# Altium PCB 10X SD CARD READER PCB.PcbDoc (part 1 of 4) (continued)
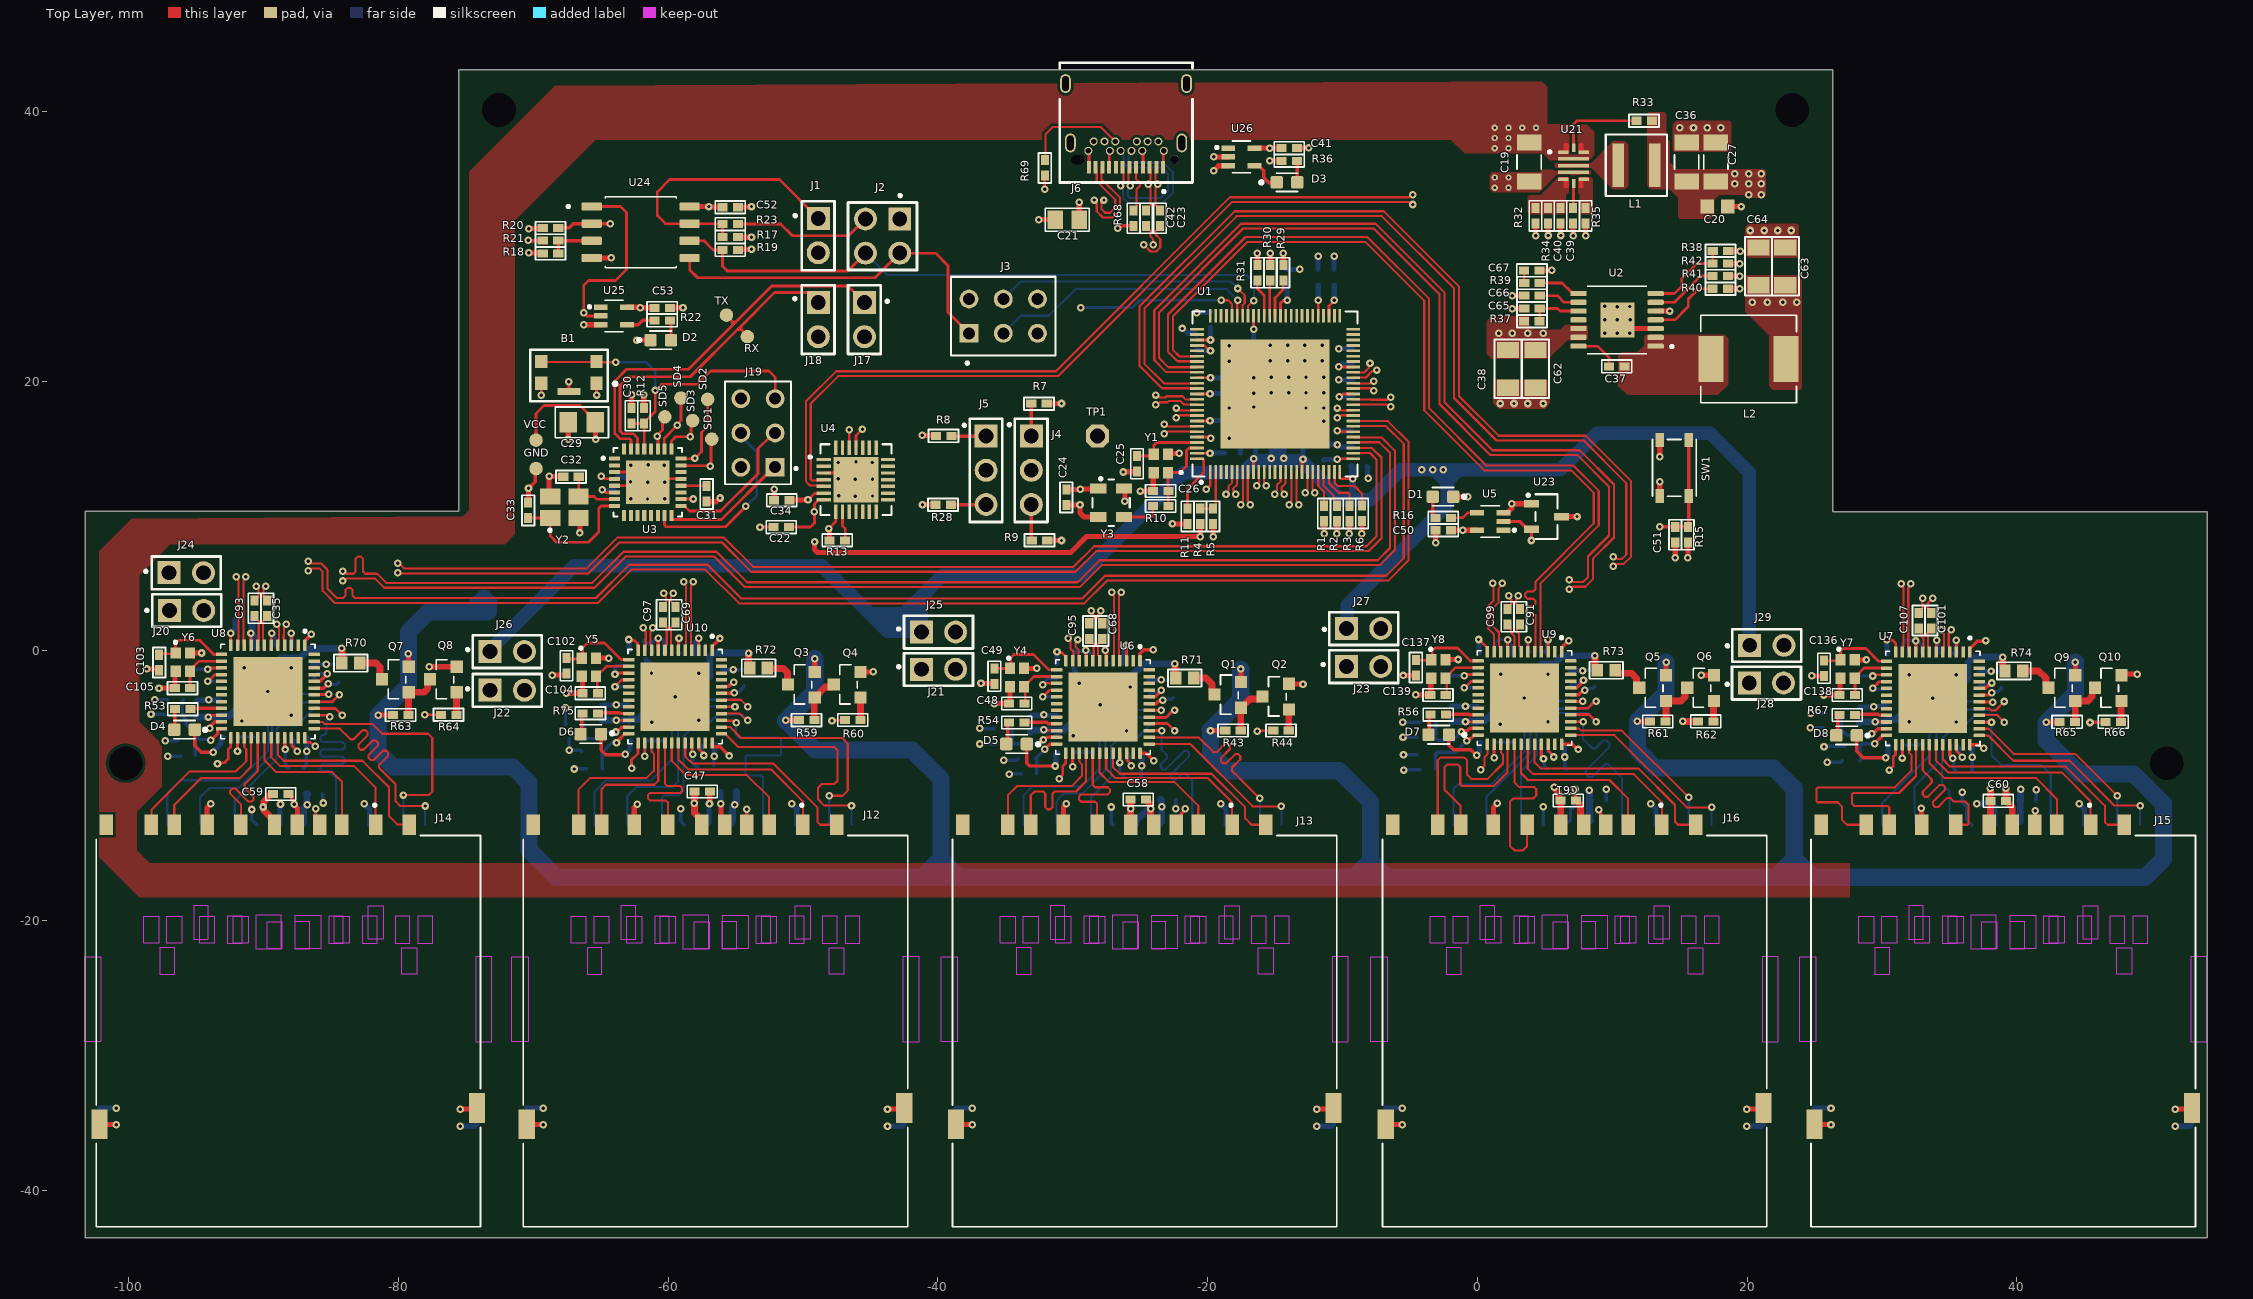
[diagram p0: Top Layer view]
## Components (designator, comment, footprint, x,y, rotation, side; value= is the part's Value field where it differs from the comment) (continued)
C90 "1uF" C-0402/1005 -93.193,-4.267 r270 bottom value=0.1uF
C91 "0.1uF" C-0402/1005 3.154,2.543 r270 top
C92 "0.1uF" C-0402/1005 -94.971,-4.267 r270 bottom
C93 "0.1uF" C-0402/1005 -90.689,3.184 r270 top
C94 "1uF" C-0402/1005 -33.122,-5.41 r270 bottom value=0.1uF
C95 "0.1uF" C-0402/1005 -28.798,1.49 r270 top
C96 "0.1uF" C-0402/1005 -31.09,-5.41 r270 bottom
C97 "0.1uF" C-0402/1005 -60.416,2.706 r270 top
C98 "1uF" C-0402/1005 -62.867,-4.583 r270 bottom value=0.1uF
C99 "0.1uF" C-0402/1005 2.218,2.548 r270 top
C100 "0.1uF" C-0402/1005 -64.872,-4.583 r270 bottom
C101 "0.1uF" C-0402/1005 33.637,2.267 r270 top
C102 "10pF" C-0402/1005 -67.558,-1.092 r270 top value=0.1uF
C103 "10pF" C-0402/1005 -97.765,-0.838 r270 top value=0.1uF
C104 "10pF" C-0402/1005 -65.761,-3.124 r180 top value=0.1uF
C105 "10pF" C-0402/1005 -95.987,-2.743 r180 top value=0.1uF
C106 "0.1uF" C-0402/1005 -55.524,-10.414 r0 bottom
C107 "0.1uF" C-0402/1005 32.708,2.267 r270 top
C108 "1uF" C-0402/1005 4.493,-0.076 r180 bottom value=0.1uF
C109 "1uF" C-0402/1005 -2.362,-1.219 r270 bottom value=0.1uF
C110 "0.1uF" C-0402/1005 6.904,-1.981 r270 bottom
C111 "0.1uF" C-0402/1005 5.867,-6.934 r180 bottom
C112 "1uF" C-0402/1005 34.823,-0.203 r180 bottom value=0.1uF
C113 "1uF" C-0402/1005 27.889,-1.27 r270 bottom value=0.1uF
C114 "0.1uF" C-0402/1005 36.093,-7.061 r180 bottom
C115 "0.1uF" C-0402/1005 37.236,-2.108 r270 bottom
C116 "1uF" C-0402/1005 -84.255,-1.508 r270 bottom value=100pF
C117 "1uF" C-0402/1005 -22.454,-2.743 r270 bottom value=100pF
C118 "1uF" C-0402/1005 2.565,-0.965 r90 bottom value=100pF
C119 "1uF" C-0402/1005 0.787,-6.772 r0 bottom value=100pF
C120 "0.1uF" C-0402/1005 0.711,-0.127 r0 bottom value=100pF
C121 "0.1uF" C-0402/1005 2.588,-6.172 r270 bottom value=100pF
C122 "1uF" C-0402/1005 32.918,-0.838 r90 bottom value=100pF
C123 "1uF" C-0402/1005 31.024,-6.963 r0 bottom value=100pF
C124 "0.1uF" C-0402/1005 30.937,-0.203 r0 bottom value=100pF
C125 "0.1uF" C-0402/1005 32.831,-6.299 r270 bottom value=100pF
C126 "1uF" C-0402/1005 0.001,-4.68 r270 bottom value=0.1uF
C127 "1uF" C-0402/1005 -54.305,-1.956 r270 bottom value=100pF
C128 "0.1uF" C-0402/1005 -1.88,-4.648 r270 bottom
C129 "1uF" C-0402/1005 8.763,-1.956 r270 bottom value=100pF
C130 "1uF" C-0402/1005 30.378,-4.648 r270 bottom value=0.1uF
C131 "1uF" C-0402/1005 -87.605,-8.738 r180 bottom value=100pF
C132 "0.1uF" C-0402/1005 28.346,-4.775 r270 bottom
C133 "1uF" C-0402/1005 -25.502,-9.373 r180 bottom value=100pF
C134 "1uF" C-0402/1005 -57.21,-8.633 r180 bottom value=100pF
C135 "1uF" C-0402/1005 5.918,-8.865 r180 bottom value=100pF
C136 "10pF" C-0402/1005 25.679,-1.278 r270 top value=0.1uF
C137 "10pF" C-0402/1005 -4.581,-1.219 r270 top value=0.1uF
C138 "10pF" C-0402/1005 27.457,-3.251 r180 top value=0.1uF
C139 "10pF" C-0402/1005 -2.896,-3.251 r180 top value=0.1uF
C140 "1uF" C-0402/1005 38.964,-2.057 r270 bottom value=100pF
C141 "1uF" C-0402/1005 36.131,-8.902 r180 bottom value=100pF
C142 "0.1uF" C-0603/1608 -95.707,-6.68 r0 bottom value=47uF
C143 "0.1uF" C-0402/1005 -95.608,-7.78 r0 bottom
C144 "0.1uF" C-0603/1608 -96.672,-4.75 r0 bottom value=47uF
C145 "0.1uF" C-0402/1005 -96.571,-3.607 r0 bottom
C146 "0.1uF" C-0603/1608 -66.904,-5.41 r0 bottom value=47uF
C147 "0.1uF" C-0603/1608 -3.783,-6.424 r0 bottom value=47uF
C148 "0.1uF" C-0603/1608 -33.376,-8.001 r0 bottom value=47uF
C149 "0.1uF" C-0402/1005 -66.801,-6.512 r0 bottom
C150 "0.1uF" C-0402/1005 -3.689,-5.291 r0 bottom
C151 "0.1uF" C-0402/1005 -33.276,-9.086 r0 bottom
C152 "0.1uF" C-0603/1608 -65.582,-7.629 r0 bottom value=47uF
C153 "0.1uF" C-0603/1608 -3.783,-7.701 r0 bottom value=47uF
C154 "0.1uF" C-0603/1608 -35.191,-5.771 r0 bottom value=47uF
C155 "0.1uF" C-0402/1005 -65.485,-8.728 r0 bottom
C156 "0.1uF" C-0402/1005 -3.673,-8.809 r0 bottom
C157 "0.1uF" C-0402/1005 -35.095,-6.877 r0 bottom
C158 "0.1uF" C-0603/1608 27.711,-8.153 r0 bottom value=47uF
C159 "0.1uF" C-0402/1005 27.813,-7.01 r0 bottom
C160 "0.1uF" C-0603/1608 26.289,-5.715 r0 bottom value=47uF
C161 "0.1uF" C-0402/1005 26.391,-4.597 r0 bottom
D1 "RED" LEDC1608X65N -2.547,11.426 r180 top
D2 "BLUE" LEDC1608X65N -60.553,23.038 r0 top
D3 "GREEN" LEDC1608X65N -14.115,34.737 r0 top
D4 "GREEN" LEDC1608X65N -95.86,-5.842 r180 top
D5 "GREEN" LEDC1608X65N -34.163,-6.909 r180 top
D6 "GREEN" LEDC1608X65N -65.735,-6.172 r180 top
D7 "GREEN" LEDC1608X65N -2.87,-6.223 r180 top
D8 "GREEN" LEDC1608X65N 27.381,-6.274 r180 top
GND "Test Points" "Test Point TH Round H0.9,D1.6"#1 -69.799,13.513 r90 top
J1 "TH 1x2" "PIN HEADER 1x2 2.54mm" -48.87,29.515 r0 top locked value=51R
J2 "DNP" "PIN HEADER 2x2 2.54mm" -42.83,29.486 r270 top locked
J3 "TSW-102-07-G-T" CON6_3X2_TU_TSW_SAI -35.154,24.816 r270 top locked
J4 "Header 1x3" "PIN HEADER 1x3 2.54mm" -33.075,13.386 r0 top locked value=51R
J5 "Header 1x3" "PIN HEADER 1x3 2.54mm" -36.424,13.386 r0 top locked value=51R
J6 "USB4056-03-A_REVA2" GCT_USB4056-03-A_REVA2 -26.048,42.06 r180 top
J7 "10067847-001RLF" AMPHENOL_10067847-011RLF -56.09,-28.2 r180 bottom locked
J8 "10067847-001RLF" AMPHENOL_10067847-011RLF -24.267,-28.2 r180 bottom locked
J9 "10067847-001RLF" AMPHENOL_10067847-011RLF -87.767,-28.2 r180 bottom locked
J10 "10067847-001RLF" AMPHENOL_10067847-011RLF 39.395,-28.2 r180 bottom locked
J11 "10067847-001RLF" AMPHENOL_10067847-011RLF 7.61,-28.2 r180 bottom locked
J12 "10067847-001RLF" AMPHENOL_10067847-011RLF -56.89,-28.2 r0 top locked
J13 "10067847-001RLF" AMPHENOL_10067847-011RLF -25.067,-28.2 r0 top locked
J14 "10067847-001RLF" AMPHENOL_10067847-011RLF -88.567,-28.2 r0 top locked
J15 "10067847-001RLF" AMPHENOL_10067847-011RLF 38.595,-28.2 r0 top locked
J16 "10067847-001RLF" AMPHENOL_10067847-011RLF 6.81,-28.2 r0 top locked
J17 "TH 1x2" "PIN HEADER 1x2 2.54mm" -45.441,23.292 r0 top locked value=51R
J18 "TH 1x2" "PIN HEADER 1x2 2.54mm" -48.87,23.292 r0 top locked value=51R
J19 "5-146256-3" TE_5-146256-3 -53.34,16.281 r180 top
J20 "TH 1x2" "PIN HEADER 1x2 2.54mm" -94.437,2.997 r90 top value=51R
J21 "TH 1x2" "PIN HEADER 1x2 2.54mm" -38.684,-1.372 r90 top value=51R
J22 "TH 1x2" "PIN HEADER 1x2 2.54mm" -70.663,-2.921 r90 top value=51R
J23 "TH 1x2" "PIN HEADER 1x2 2.54mm" -7.163,-1.168 r90 top value=51R
J24 "TH 1x2" "PIN HEADER 1x2 2.54mm" -94.463,5.791 r90 top value=51R
J25 "TH 1x2" "PIN HEADER 1x2 2.54mm" -38.684,1.397 r90 top value=51R
J26 "TH 1x2" "PIN HEADER 1x2 2.54mm" -70.663,-0.051 r90 top value=51R
J27 "TH 1x2" "PIN HEADER 1x2 2.54mm" -7.163,1.651 r90 top value=51R
J28 "TH 1x2" "PIN HEADER 1x2 2.54mm" 22.708,-2.388 r90 top value=51R
J29 "TH 1x2" "PIN HEADER 1x2 2.54mm" 22.733,0.406 r90 top value=51R
L1 "XEL4030-471MEB" IND_XEL4030_3.1_COC 11.795,36.007 r0 top
L2 "4.7uH" IND_SPM6550T-4R7M 20.117,21.641 r0 top
Q1 "DMP2120U-7" SOT-23-3 -18.39,-3.251 r90 top
Q2 "MMBT3904" SOT-23-3 -14.834,-3.378 r90 top
Q3 "DMP2120U-7" SOT-23-3 -50.013,-2.489 r90 top
Q4 "MMBT3904" SOT-23-3 -46.627,-2.489 r90 top
Q5 "DMP2120U-7" SOT-23-3 13.106,-2.743 r90 top
Q6 "MMBT3904" SOT-23-3 16.662,-2.743 r90 top
Q7 "DMP2120U-7" SOT-23-3 -80.112,-2.108 r90 top
Q8 "MMBT3904" SOT-23-3 -76.556,-2.108 r90 top
Q9 "DMP2120U-7" SOT-23-3 43.459,-2.743 r90 top
Q10 "MMBT3904" SOT-23-3 46.888,-2.743 r90 top
R1 "10k" R-0402/1005 -11.376,10.204 r270 top value=10K
R2 "200k" R-0402/1005 -10.43,10.204 r270 top value=200K
R3 "200k" R-0402/1005 -9.497,10.204 r270 top value=200K
R4 "43K" R-0402/1005 -20.563,9.985 r270 top value=10K
R5 "49.9K" R-0402/1005 -19.606,9.985 r270 top value=10K
R6 "10k" R-0402/1005 -8.545,10.17 r90 top value=10K
R7 "200K" R-0402/1005 -32.487,18.339 r180 top value=10K
R8 "200K" R-0402/1005 -39.599,15.926 r0 top value=10K
R9 "10R" R-0402/1005 -32.487,8.179 r0 top value=10K
R10 "0R" R-0402/1005 -23.504,10.719 r0 top value=200K
R11 "12k" R-0402/1005 -21.475,9.95 r90 top value=10K
R12 "12k" R-0402/1005 -61.805,17.443 r270 top value=100K
R13 "1K" R-0402/1005 -47.473,8.179 r0 top value=100K
R14 "680" R-0402/1005 -30.582,-3.413 r180 bottom value=10K
R15 "100K" R-0402/1005 15.621,8.594 r90 top value=10K
R16 "1K" R-0402/1005 -2.541,9.844 r0 top value=10K
R17 "10k" R-0402/1005 -55.42,30.658 r0 top value=10K
R18 "10k" R-0402/1005 -68.708,29.487 r180 top value=10K
R19 "100K" R-0402/1005 -55.42,29.708 r0 top value=10K
R20 "100K" R-0402/1005 -68.708,31.375 r180 top value=10K
R21 "DNP" R-0402/1005 -68.708,30.431 r180 top value=200K
R22 "1K" R-0402/1005 -60.433,24.518 r180 top value=10K
R23 "DNP" R-0402/1005 -55.42,31.628 r0 top value=200K
R24 "680" R-0402/1005 -92.431,-2.27 r180 bottom value=10K
R25 "680" R-0402/1005 -62.205,-2.651 r180 bottom value=10K
R26 "680" R-0402/1005 0.595,-2.753 r180 bottom value=10K
R27 "680" R-0402/1005 31.14,-2.87 r180 bottom value=10K
R28 "10R" R-0402/1005 -39.599,10.846 r180 top value=10K
R29 "10k" R-0402/1005 -14.374,28.008 r90 top value=10K
R30 "10k" R-0402/1005 -15.342,28.008 r90 top value=10K
R31 "10k" R-0402/1005 -16.299,28.008 r90 top value=10K
R32 "68K" R-0402/1005 4.301,32.268 r270 top value=10K
R33 "100K" R-0402/1005 12.344,39.294 r0 top value=10K
R34 "68K" R-0402/1005 5.256,32.233 r90 top value=10K
R35 "8.06K" R-0402/1005 8.012,32.268 r270 top value=10K
R36 "330R" R-0402/1005 -13.931,36.348 r180 top value=10K
R37 "110k" R-0402/1005 4.067,24.449 r180 top value=51R
R38 "115k" R-0402/1005 18.009,29.645 r0 top value=51R
R39 "10k" R-0402/1005 4.031,27.253 r0 top value=51R
R40 "50k" R-0402/1005 18.044,27.803 r180 top value=51R
R41 "50k" R-0402/1005 18.044,26.862 r180 top value=51R
R42 "25.5k" R-0402/1005 18.044,28.733 r180 top value=51R
R43 "47k" R-0402/1005 -18.136,-5.918 r0 top value=10K
R44 "10k" R-0402/1005 -14.58,-5.918 r0 top value=10K
R53 "330R" R-0402/1005 -96.012,-4.343 r0 top value=10K
R54 "330R" R-0402/1005 -34.163,-5.334 r0 top value=10K
R56 "330R" R-0402/1005 -2.921,-4.75 r0 top value=10K
R59 "47k" R-0402/1005 -49.759,-5.156 r0 top value=10K
R60 "10k" R-0402/1005 -46.33,-5.142 r0 top value=10K
R61 "47k" R-0402/1005 13.36,-5.257 r0 top value=10K
R62 "10k" R-0402/1005 16.916,-5.243 r0 top value=10K
R63 "47k" R-0402/1005 -79.858,-4.775 r0 top value=10K
R64 "10k" R-0402/1005 -76.302,-4.761 r0 top value=10K
R65 "47k" R-0402/1005 43.713,-5.283 r0 top value=10K
R66 "10k" R-0402/1005 47.142,-5.283 r0 top value=10K
R67 "330R" R-0402/1005 27.407,-4.775 r0 top value=10K
R68 "5.1k" R-0402/1005 -25.482,32.062 r90 top value=200K
R69 "5.1k" R-0402/1005 -32.055,35.789 r90 top value=200K
R70 "0R" R-0603/1608 -83.543,-0.864 r180 top value=200K
R71 "0R" R-0603/1608 -21.698,-1.985 r180 top value=200K
R72 "0R" R-0603/1608 -53.297,-1.229 r180 top value=200K
R73 "0R" R-0603/1608 9.55,-1.397 r180 top value=200K
R74 "0R" R-0603/1608 39.778,-1.446 r180 top value=200K
R75 "330R" R-0402/1005 -65.786,-4.648 r0 top value=10K
RX "Test Points" "Test Point TH Round H0.9,D1.6"#1 -54.127,23.292 r0 top
SD1 "Test Points" "Test Point TH Round H0.9,D1.6"#1 -56.769,15.697 r0 top
SD2 "Test Points" "Test Point TH Round H0.9,D1.6"#1 -57.074,18.644 r90 top
SD3 "Test Points" "Test Point TH Round H0.9,D1.6"#1 -58.191,17.069 r90 top
SD4 "Test Points" "Test Point TH Round H0.9,D1.6"#1 -59.055,18.745 r90 top
SD5 "Test Points" "Test Point TH Round H0.9,D1.6"#1 -60.249,17.348 r90 top
SW1 "PTS810_SJM_250_SMTR_LFS" SW_PTS810_SJM_250_SMTR_LFS 14.605,13.564 r270 top
TP1 "Test Points" "Test Point TH Round H0.9,D1.6"#2 -28.169,15.926 r90 top
TX "Test Points" "Test Point TH Round H0.9,D1.6"#1 -55.677,24.892 r0 top
U1 "USB7206" USB7206 -15.001,19.047 r90 top locked
U2 "RT2875BQGCP" TSSOP-14 10.361,24.543 r90 top
U3 "ATMEGA 328-MU" "ATMEGA 328P" -61.519,12.497 r0 top
U4 "CP2102N-A02-GQFN28R" CP2102 -46.076,12.687 r0 top locked
U5 "74LVC1G14GW,125" SOT65P212X110-5N 0.955,9.591 r180 top
U6 "GL3224" GL3224 -27.765,-4.163 r270 top locked
U7 "GL3224" GL3224 33.774,-3.528 r270 top locked
U8 "GL3224" GL3224 -89.684,-3.02 r270 top locked
U9 "GL3224" GL3224 3.491,-3.503 r270 top locked
U10 "GL3224" GL3224 -59.486,-3.401 r270 top locked
U21 "TPS6281208QWRWYRQ1" RWY0009A 7.136,35.976 r0 top
U23 "MIC803-29D4VM3-TR" SOT-23_M3_MCH 5.131,9.957 r270 top
U24 "SST26VF016B-104I/SM" SOIC127P794X203-8N -62.037,31.039 r0 top locked
U25 "74LVC1G14GW,125" SOT65P212X110-5N -64.024,24.831 r0 top
U26 "74LVC1G14GW,125" SOT65P212X110-5N -17.501,36.627 r0 top
VCC "Test Points" "Test Point TH Round H0.9,D1.6"#1 -69.799,15.621 r90 top
Y1 "DNP" ECS-250-10-37B2 -23.47,13.894 r180 top
Y2 "FL1600044" FL1600044 -67.691,10.643 r90 top
Y3 "DSC1001CI2-025.0000" CDFN4_3P2X2P5_MCH -27.153,10.973 r0 top
Y4 "ECS-250-10-37B2-CKM-TR" ECS-250-10-37B2 -34.138,-1.981 r0 top
Y5 "ECS-250-10-37B2-CKM-TR" ECS-250-10-37B2 -65.888,-1.219 r0 top
Y6 "ECS-250-10-37B2-CKM-TR" ECS-250-10-37B2 -95.987,-0.838 r0 top
Y7 "ECS-250-10-37B2-CKM-TR" ECS-250-10-37B2 27.457,-1.346 r0 top
Y8 "ECS-250-10-37B2-CKM-TR" ECS-250-10-37B2 -2.896,-1.346 r0 top

## Footprints (in the part's own frame and the unit in brackets; to place one, negate y for a bottom-side part, rotate by r counter-clockwise, add the part's x,y. Pads: shape width x height; smd on the part's side, far side on the other; paste and mask are expansions set on the pad)
0805-CAP [mm]
  rect 1.3x1.5 smd: 1(1,0) 2(-1,0)
  silkscreen extent -1.97,-1.14 1.97,1.14, body extent -1,-0.62 1,0.63, height 0.78
AMPHENOL_10067847-011RLF [mm]
  rect 1x1.5 smd: 1(6.875,15.3) 2(4.375,15.3) 3(1.075,15.3) 4(-0.625,15.3) 5(-3.125,15.3) 6(-5.625,15.3) 7(-8.05,15.3) 8(-9.75,15.3) 9(9.375,15.3) CD(2.725,15.3) WP(-13.1,15.3)
  rect 1.2x2.2 smd: G1(-13.6,-6.9) G2(14.4,-5.7)
  Keep-Out Layer region: -13.5,-0.8 -14.7,-0.8 -14.7,5.5 -13.5,5.5
  Keep-Out Layer region: 4.92,6.5 3.82,6.5 3.82,8.5 4.92,8.5
  Keep-Out Layer region: 7.42,6.8 6.32,6.8 6.32,9.3 7.42,9.3
  Keep-Out Layer region: 9.92,4.2 8.82,4.2 8.82,6.2 9.92,6.2
  Keep-Out Layer region: 2.82,6.1 0.92,6.1 0.92,8.6 2.82,8.6
  Keep-Out Layer region: -2.58,6.5 -3.68,6.5 -3.68,8.5 -2.58,8.5
  Keep-Out Layer region: -0.08,6.1 -1.18,6.1 -1.18,8.1 -0.08,8.1
  Keep-Out Layer region: -5.08,6.5 -6.18,6.5 -6.18,8.5 -5.08,8.5
  Keep-Out Layer region: -7.51,6.5 -8.61,6.5 -8.61,8.5 -7.51,8.5
  Keep-Out Layer region: -9.21,6.5 -10.31,6.5 -10.31,8.5 -9.21,8.5
  silkscreen extent -13.85,-14.5 14.65,16.85, body extent -13.84,-14.61 14.61,15.65, height 2.8
"ATMEGA 328P" [mil]
  rect 32x12 smd: 1(-97,69) 2(-97,49) 3(-97,30) 4(-97,10) 5(-97,-10) 6(-97,-30) 7(-97,-49) 8(-97,-69) 17(97,-69) 18(97,-49) 19(97,-30) 20(97,-10) 21(97,10) 22(97,30) 23(97,49) 24(97,69)
  rect 12x32 smd: 9(-69,-97) 10(-49,-97) 11(-30,-97) 12(-10,-97) 13(10,-97) 14(30,-97) 15(49,-97) 16(69,-97) 25(69,97) 26(49,97) 27(30,97) 28(10,97) 29(-10,97) 30(-30,97) 31(-49,97) 32(-69,97)
  rect 128x128 smd: 33(0,0)
  silkscreen extent -134,-100 100,100, body extent -98,-98 98,98, height 39
C-0402/1005 [mm] "Chip Capacitor, 2-Leads, Body 1.02x0.51mm, IPC Medium Density"
  rect 0.75x0.6 smd: 1(-0.55,0.022) 2(0.6,0.022)
  silkscreen extent -1.09,-0.44 1.14,0.49, body extent -0.48,-0.24 0.52,0.28, height 0.52
C-0603/1608 [mm] "Chip Capacitor, 2-Leads, Body 1.60x0.80mm, IPC Medium Density"
  rect 0.85x0.95 smd: 1(-0.667,0.005) 2(0.643,0.005)
  silkscreen extent -1.26,-0.63 1.23,0.64, body extent -0.8,-0.4 0.8,0.42, height 0.82
C-0805/2012 [mm] "Chip Capacitor, 2-Leads, Body 2.00x1.20mm, IPC Medium Density"
  rect 1.15x1.35 smd: 1(-0.883,-0.009) 2(0.867,-0.009)
  silkscreen extent -1.63,-0.86 1.62,0.84, body extent -1.02,-0.64 0.98,0.63, height 1.26
C-1206/3216 [mm] "Chip Capacitor, 2-Leads, Body 3.25x1.60mm, IPC Medium Density"
  rect 1.2x1.65 smd: 1(-1.373,0.055) 2(1.427,0.055)
  silkscreen extent -2.15,-0.94 2.2,1.06, body extent -1.59,-0.76 1.61,0.86, height 1.62
CAPC1608X100N [mm]
  rect 1x1.02 smd: 1(-0.759,0) 2(0.759,0)
CAPC3216X180N [mm]
  rect 1.21x1.82 smd: 1(-1.45,0) 2(1.45,0)
  silkscreen extent -0.52,-0.9 0.52,0.9, body extent -1.6,-0.8 1.6,0.8, height 1.8
CDFN4_3P2X2P5_MCH [mm]
  rect 1.205x0.749 smd paste+0 mask+0: 1(-0.952,1.05) 2(-0.952,-1.05) 3(0.952,-1.05) 4(0.952,1.05)
  silkscreen extent -1.38,-1.73 1.38,1.88, body extent -1.25,-1.6 1.25,1.6, height 0.81
CON6_3X2_TU_TSW_SAI [mil]
  rect 55x55 hole 35 paste-99999 mask+0: 1(50,-100)
  round 55 hole 35 paste-99999 mask+0: 2(50,0) 3(50,100) 4(-50,-100) 5(-50,0) 6(-50,100)
  silkscreen extent -115,-152 141,153
CP2102 [mil]
  rect 42x10 smd paste+0 mask+0: 1(-93.5,59.06) 2(-93.5,39.37) 3(-93.5,19.69) 4(-93.5,0) 5(-93.5,-19.69) 6(-93.5,-39.37) 7(-93.5,-59.06) 15(93.5,-59.06) 16(93.5,-39.37) 17(93.5,-19.69) 18(93.5,0) 19(93.5,19.69) 20(93.5,39.37) 21(93.5,59.06)
  rect 10x42 smd paste+0 mask+0: 8(-59.06,-93.5) 9(-39.37,-93.5) 10(-19.68,-93.5) 11(0,-93.5) 12(19.68,-93.5) 13(39.37,-93.5) 14(59.06,-93.5) 22(59.06,93.5) 23(39.37,93.5) 24(19.68,93.5) 25(0,93.5) 26(-19.68,93.5) 27(-39.37,93.5) 28(-59.06,93.5)
  rect 132x132 smd paste-65.5 mask+0: 29(0,0)
  silkscreen extent -138,-104 104,104, body extent -99,-99 99,99, height 39
ECS-250-10-37B2 [mm]
  rect 0.75x0.85 smd: 1(-0.525,0.675) 2(-0.525,-0.675) 3(0.525,-0.675) 4(0.525,0.675)
  silkscreen extent -1.6,0.58 -1.4,0.77, body extent -0.8,-1 0.8,1, height 0.5
FL1600044 [mm]
  rect 1.2x1.5 smd: 1(-0.8,1.05) 2(-0.8,-1.05) 3(0.8,-1.05) 4(0.8,1.05)
  silkscreen extent -1.8,0.98 -1.6,1.18, body extent -1.25,-1.6 1.25,1.6, height 0.78
FP-KMR211GLFS-MFG [mm]
  rect 0.9x1 smd paste+0 mask+0: 1(-2.05,0.8) 2(2.05,0.8) 3(-2.05,-0.8) 4(2.05,-0.8)
  rect 1.7x0.55 smd paste+0 mask+0: 5(0,1.425)
  silkscreen extent -3.55,-1.68 2.88,2.15
GCT_USB4056-03-A_REVA2 [mm]
  rect 0.3x0.9 smd: A1(-2.75,6.2) A2(-2.25,6.2) A3(-1.75,6.2) A4(-1.25,6.2) A5(-0.75,6.2) A6(-0.25,6.2) A7(0.25,6.2) A8(0.75,6.2) A9(1.25,6.2) A10(1.75,6.2) A11(2.25,6.2) A12(2.75,6.2)
  round 0.6 hole 0.4: B1(2.8,4.99) B2(2.4,4.29) B3(1.6,4.29) B4(1.2,4.99) B5(0.8,4.29) B6(0.4,4.99) B7(-0.4,4.99) B8(-0.8,4.29) B9(-1.2,4.99) B10(-1.6,4.29) B11(-2.4,4.29) B12(-2.8,4.99)
  oval 0.8x1.4 hole 0.5 slot 1.1 at 90 deg: S1(-4.13,4.4) S2(4.13,4.4) S3(-4.49,0) S4(4.49,0)
  round 0.65 hole 0.65 unplated: ""(-3.6,5.64)
  oval 0.65x0 hole 0.65 slot 0.95 at 0 deg unplated: ""(3.6,5.64)
  silkscreen extent -4.92,-1.55 4.92,8.1, body extent -4.92,-2.53 4.92,7.34, height 3.26
GL3224 [mm]
  rrect25% 0.84x0.26 smd: 1(-3.435,2.75) 2(-3.435,2.25) 3(-3.435,1.75) 4(-3.435,1.25) 5(-3.435,0.75) 6(-3.435,0.25) 7(-3.435,-0.25) 8(-3.435,-0.75) 9(-3.435,-1.25) 10(-3.435,-1.75) 11(-3.435,-2.25) 12(-3.435,-2.75) 25(3.435,-2.75) 26(3.435,-2.25) 27(3.435,-1.75) 28(3.435,-1.25) 29(3.435,-0.75) 30(3.435,-0.25) 31(3.435,0.25) 32(3.435,0.75) 33(3.435,1.25) 34(3.435,1.75) 35(3.435,2.25) 36(3.435,2.75)
  rrect25% 0.26x0.84 smd: 13(-2.75,-3.435) 14(-2.25,-3.435) 15(-1.75,-3.435) 16(-1.25,-3.435) 17(-0.75,-3.435) 18(-0.25,-3.435) 19(0.25,-3.435) 20(0.75,-3.435) 21(1.25,-3.435) 22(1.75,-3.435) 23(2.25,-3.435) 24(2.75,-3.435) 37(2.75,3.435) 38(2.25,3.435) 39(1.75,3.435) 40(1.25,3.435) 41(0.75,3.435) 42(0.25,3.435) 43(-0.25,3.435) 44(-0.75,3.435) 45(-1.25,3.435) 46(-1.75,3.435) 47(-2.25,3.435) 48(-2.75,3.435)
  rect 5.1x5.1 smd paste-4: 49(0,0)
  silkscreen extent -4.57,-3.5 3.5,3.5, body extent -3.5,-3.5 3.5,3.5, height 1
IND_SPM6550T-4R7M [mm]
  rect 1.85x3.4 smd: 1(-2.775,0) 2(2.775,0)
  silkscreen extent -3.55,-3.25 3.55,3.25, body extent -3.55,-3.25 3.55,3.25, height 5
IND_XEL4030_3.1_COC [mil]
  rect 34x128 smd paste+0 mask+0: 1(-53,0) 2(53,0)
  silkscreen extent -90,-90 90,90, body extent -84,-84 84,84, height 122
LEDC1608X65N [mm]
  rrect25% 0.91x0.93 smd: A(0.76,0) C(-0.76,0)
  silkscreen extent -1.69,-0.68 0.8,0.68
"PIN HEADER 1x2 2.54mm" [mm]
  rect 1.7x1.7 hole 1.1: 1(0,2.54)
  round 1.7 hole 1.1: 2(0,0)
  silkscreen extent -1.22,-1.29 1.2,3.82
"PIN HEADER 1x3 2.54mm" [mm]
  rect 1.7x1.7 hole 1.1: 1(0,2.54)
  round 1.7 hole 1.1: 2(0,0) 3(0,-2.54)
  silkscreen extent -1.22,-3.84 1.2,3.82, body extent -1.28,-3.82 1.26,3.8, height 8.38
"PIN HEADER 2x2 2.54mm" [mm]
  rect 1.7x1.7 hole 1.1: 1(-2.54,0)
  round 1.7 hole 1.1: 2(0,0) 3(-2.54,-2.54) 4(0,-2.54)
  silkscreen extent -3.76,-3.83 1.26,1.28, body extent -3.76,-3.81 1.24,1.27, height 8.55
R-0402/1005 [mm]
  rect 0.75x0.6 smd: 1(-0.556,0.014) 2(0.594,0.014)
  silkscreen extent -1.1,-0.45 1.13,0.48, body extent -0.48,-0.24 0.52,0.26, height 0.35
R-0603/1608 [mm] "Chip Resistor, 2-Leads, Body 1.60x0.80mm, IPC Medium Density"
  rect 0.85x0.95 smd: 1(-0.659,0.042) 2(0.651,0.042)
  silkscreen extent -1.25,-0.59 1.24,0.68, body extent -0.8,-0.35 0.8,0.45, height 0.45
RWY0009A [mm]
  rect 0.775x0.25 smd paste-0.375 mask+0.051: 1(-0.761,1) 5(-0.761,-1) 7(0.761,-1) 8(0.761,1)
  rect 2.3x0.25 smd paste-1.137 mask+0.051: 2(0,0.5) 3(0,0) 4(0,-0.5)
  rect 0.25x0.65 smd paste+0 mask+0.051: 6(0,-1.325) 9(0,1.325)
  Top Layer region: -0.775,-1.125 -1.1,-1.125 -1.15,-1.075 -1.15,-0.925 -1.1,-0.875 -0.425,-0.875 -0.375,-0.925 -0.375,-1.6 -0.425,-1.65 -0.675,-1.65 -0.725,-1.6 -0.725,-1.175
  Top Layer region: 0.375,-0.925 0.375,-1.6 0.425,-1.65 0.675,-1.65 0.725,-1.6 0.725,-1.175 0.775,-1.125 1.1,-1.125 1.15,-1.075 1.15,-0.925 1.1,-0.875 0.425,-0.875
  Top Layer region: 0.425,0.875 0.375,0.925 0.375,1.6 0.425,1.65 0.675,1.65 0.725,1.6 0.725,1.175 0.775,1.125 1.1,1.125 1.15,1.075 1.15,0.925 1.1,0.875
  Top Layer region: -1.1,0.875 -1.15,0.925 -1.15,1.075 -1.1,1.125 -0.775,1.125 -0.725,1.175 -0.725,1.6 -0.675,1.65 -0.425,1.65 -0.375,1.6 -0.375,0.925 -0.425,0.875
  silkscreen extent -1.88,0.92 -1.68,1.12
SOIC127P794X203-8N [mm]
  rrect25% 1.49x0.61 smd: 1(-3.63,1.905) 2(-3.63,0.635) 3(-3.63,-0.635) 4(-3.63,-1.905) 5(3.63,-1.905) 6(3.63,-0.635) 7(3.63,0.635) 8(3.63,1.905)
  silkscreen extent -5.47,-2.63 2.63,2.63, body extent -3.97,-2.63 3.97,2.63, height 2.03
SOT65P212X110-5N [mm]
  rect 1.02x0.4 smd: 1(-0.975,0.65) 2(-0.975,0) 3(-0.975,-0.65) 4(0.975,-0.65) 5(0.975,0.65)
  silkscreen extent -1.89,-1.17 0.68,1.17, body extent -1.06,-1 1.06,1, height 1.1
SOT-23-3 [mm]
  rect 0.9x0.9 smd: 1(-0.969,-0.876) 2(0.931,-0.876) 3(0,1.1)
  silkscreen extent -1.45,-0.65 1.45,0.65, body extent -1.51,-1.11 1.49,1.14, height 1.2
SOT-23_M3_MCH [mil]
  rect 22x44 smd paste+0 mask+0: 1(-37.4,-44) 2(37.4,-44) 3(0,44)
  silkscreen extent -66,-58 65,33, body extent -60,-52 60,52, height 44
SW_PTS810_SJM_250_SMTR_LFS [mm]
  rect 1.05x0.65 smd: 1(-2.075,1.075) 2(2.075,1.075) 3(-2.075,-1.075) 4(2.075,-1.075)
  silkscreen extent -2.1,-1.62 2.1,1.62
TE_5-146256-3 [mm]
  rect 1.398x1.398 hole 0.89: 1(-1.27,2.667)
  round 1.398 hole 0.89: 2(1.27,2.667) 3(-1.27,0.127) 4(1.27,0.127) 5(-1.27,-2.413) 6(1.27,-2.413)
  silkscreen extent -2.92,-3.68 2.44,3.94, body extent -2.42,-3.69 2.41,3.93, height 8.38
"Test Point TH Round H0.9,D1.6"#1 [mm]
  round 1 smd: 1(0,0)
"Test Point TH Round H0.9,D1.6"#2 [mm]
  oct 1.7x1.7 hole 1.1: 1(0,0)
TSSOP-14 [mm]
  rrect50% 0.387x1.215 smd: 1(-1.95,-2.857) 2(-1.3,-2.857) 3(-0.65,-2.857) 4(0,-2.857) 5(0.65,-2.857) 6(1.3,-2.857) 7(1.95,-2.857) 8(1.95,2.857) 9(1.3,2.857) 10(0.65,2.857) 11(0,2.857) 12(-0.65,2.857) 13(-1.3,2.857) 14(-1.95,2.857)
  rect 2.6x2.5 smd: 15(0,-0.025)
  silkscreen extent -2.5,-4.16 2.5,2.2
USB7206 [mil]
  rect 40x8 smd paste+0 mask+0: 1(-228,188.98) 2(-228,173.23) 3(-228,157.48) 4(-228,141.73) 5(-228,125.98) 6(-228,110.24) 7(-228,94.49) 8(-228,78.74) 9(-228,62.99) 10(-228,47.24) 11(-228,31.5) 12(-228,15.75) 13(-228,0) 14(-228,-15.75) 15(-228,-31.5) 16(-228,-47.24) 17(-228,-62.99) 18(-228,-78.74) 19(-228,-94.49) 20(-228,-110.24) 21(-228,-125.98) 22(-228,-141.73) 23(-228,-157.48) 24(-228,-173.23) 25(-228,-188.98) 51(228,-188.98) 52(228,-173.23) 53(228,-157.48) 54(228,-141.73) 55(228,-125.98) 56(228,-110.24) 57(228,-94.49) 58(228,-78.74) 59(228,-62.99) 60(228,-47.24) 61(228,-31.5) 62(228,-15.75) 63(228,0) 64(228,15.75) 65(228,31.5) 66(228,47.24) 67(228,62.99) 68(228,78.74) 69(228,94.49) 70(228,110.24) 71(228,125.98) 72(228,141.73) 73(228,157.48) 74(228,173.23) 75(228,188.98)
  rect 8x40 smd paste+0 mask+0: 26(-188.98,-228) 27(-173.23,-228) 28(-157.48,-228) 29(-141.73,-228) 30(-125.98,-228) 31(-110.24,-228) 32(-94.49,-228) 33(-78.74,-228) 34(-62.99,-228) 35(-47.24,-228) 36(-31.5,-228) 37(-15.75,-228) 38(0,-228) 39(15.75,-228) 40(31.5,-228) 41(47.24,-228) 42(62.99,-228) 43(78.74,-228) 44(94.49,-228) 45(110.24,-228) 46(125.98,-228) 47(141.73,-228) 48(157.48,-228) 49(173.23,-228) 50(188.98,-228) 76(188.98,228) 77(173.23,228) 78(157.48,228) 79(141.73,228) 80(125.98,228) 81(110.24,228) 82(94.49,228) 83(78.74,228) 84(62.99,228) 85(47.24,228) 86(31.5,228) 87(15.75,228) 88(0,228) 89(-15.75,228) 90(-31.5,228) 91(-47.24,228) 92(-62.99,228) 93(-78.74,228) 94(-94.49,228) 95(-110.24,228) 96(-125.98,228) 97(-141.73,228) 98(-157.48,228) 99(-173.23,228) 100(-188.98,228)
  rect 319x319 smd paste-159 mask+0: 101(0,0)
  silkscreen extent -262,-241 241,241, body extent -236,-236 236,236, height 35

## Part data
B1: library part CMP-10040-000023-1, "SWITCH TACTILE SPST-NO 0.05A 32V", Contact Current Rating=50mA, Max Operating Temperature=85°C, Max Voltage Rating (DC)=32V, Min Operating Temperature=-40°C, Operating Force=1.2N, Package Quantity=1, Power Rating=1W, Actuator Length=0.5mm, Actuator Type=Standard, Contact Material=Silver, Contact Plating=Silver, Current Rating=50mA, Depth=4.6mm, Illumination Type=Non-Illuminated, Lead Free="Lead Free", Length=2.8mm, Max Current Rating=50mA, Mechanical Life=200000Cycles, Mount="Surface Mount", Orientation=Straight, packaging="Tape and Reel", Radiation Hardening=No, REACH SVHC="No SVHC", Switch Function=Off-Mom, Switch Travel=0.2mm, Termination="Gull Wing", Throw Configuration=SPST, Voltage Rating (DC)=32V, Width=2.8mm
C1 C2 C3 C4 C5 C6 C7 C8 C9 C10 C11 C12 C13 C14 C15 C16 C17 C18 C19 C20 C21 C22 C23 C24 C25 C26 C27 C28 C29 C30 C31 C32 C33 C34 C35 C36 C39 C40 C41 C42 C43 C44 C45 C46 C47 C48 C49 C50 C51 C52 C53 C54 C55 C56 C57 C58 C59 C60 C61 C68 C69 C70 C71 C72 C73 C74 C75 C76 C77 C78 C79 C80 C81 C82 C83 C84 C85 C86 C87 C88 C89 C90 C91 C92 C93 C94 C95 C96 C97 C98 C99 C100 C101 C102 C103 C104 C105 C106 C107 C108 C109 C110 C111 C112 C113 C114 C115 C116 C117 C118 C119 C120 C121 C122 C123 C124 C125 C126 C127 C128 C129 C130 C131 C132 C133 C134 C135 C136 C137 C138 C139 C140 C141 C142 C143 C144 C145 C146 C147 C148 C149 C150 C151 C152 C153 C154 C155 C156 C157 C158 C159 C160 C161: library part Cap, "Capacitor", LatestRevisionDate=17-Jul-2002, LatestRevisionNote="Re-released for DXP Platform.", PackageDescription="Radial Cap, Thru-Hole; 2 Leads; 0.3 in Pin Spacing", PackageReference=RAD-0.3, Published=8-Jun-2000, Publisher="Altium Limited"
C37 C38 C62 C65 C66 C67: library part "CAP 1206/3216", "CAP CER 10UF 25V X5R 1206", Mfr. Part No.=C1206C106M3PACTU, Supplier Part No.=399-8153-1-ND, Supplier="Digikey Electronics", Unit Price (USD)=0.28
C63 C64: library part Capacitor-NonPolar, "CAP CER 0.1UF 50V X7R 0402", Mfr. Part No.=UMK105B7104KV-FR, Supplier Part No.=587-3498-1-ND, Supplier="Digikey Electronics", Unit Price (USD)=0.15
D1 D2 D3 D4 D5 D6 D7 D8: library part Diode-LED, Supplier="Digikey Electronics"
J1: library part "Header 1x2", "CONN HEADER VERT 3POS 2.54MM", Mfr. Part No.=75160-156-03LF, Supplier Part No.=609-75160-156-03LF-ND, Supplier="Digikey Electronics", Unit Price (USD)=0.74
J2: library part "Header 2x2", "FIXED IND 22UH 620MA 350 MOHM", Mfr. Part No.=PH2-04-UA, Supplier Part No.=2057-PH2-04-UA-ND, Supplier="Digikey Electronics", Unit Price (USD)=0.1
J3: "No Description Available", Mfr_Name="Samtec Inc", Copyright="Copyright (C) 2023 Ultra Librarian. All rights reserved.", Digi-Key_Part_Number_1=TSW-102-07-G-T-ND, Manufacturer_Part_Number=TSW-102-07-G-T, RefDes=RefDes, Type=DEV
J4 J5: "CONN HEADER VERT 3POS 2.54MM", Mfr. Part No.=75160-156-03LF, Supplier Part No.=609-75160-156-03LF-ND, Supplier="Digikey Electronics", Unit Price (USD)=0.74
J6: "USB-C (USB TYPE-C) USB 3.2 Gen 2 (USB 3.1 Gen 2, Superspeed + (USB 3.1)) Receptacle Connector 24 Position Surface Mount, Right Angle; Through Hole", Package=None, Availability="In Stock", Check_prices=https://www.snapeda.com/parts/USB4056-03-A/Global+Connector+Technology/view-part/?ref=eda, MF="Global Connector Technology", MP=USB4056-03-A, Price=None, SnapEDA_Link=https://www.snapeda.com/parts/USB4056-03-A/Global+Connector+Technology/view-part/?ref=snap
J7 J8 J9 J10 J11 J12 J13 J14 J15 J16: "12 (9 + 3) Position Card Connector Secure Digital - SD Surface Mount Gold", Package=None, Check_prices=https://www.snapeda.com/parts/10067847-001RLF/Amphenol%20FCI/view-part/1746378/?ref=eda, Digi-Key_Part_Number=609-3956-1-ND, MF="Amphenol ICC", MP=10067847-001RLF, Purchase-URL=https://pricing.snapeda.com/search/part/10067847-001RLF/?ref=eda, SnapEDA_Link=https://www.snapeda.com/parts/10067847-001RLF/Amphenol%20FCI/view-part/1746378/?ref=snap
J17 J18 J20 J21 J22 J23 J24 J25 J26 J27 J28 J29: library part "Jumper 2 pin", "CONN HEADER VERT 3POS 2.54MM", Mfr. Part No.=75160-156-03LF, Supplier Part No.=609-75160-156-03LF-ND, Supplier="Digikey Electronics", Unit Price (USD)=0.74
J19: "Header; Breakaway; 0.100 x 0.100 in.; PC Board; Dual; 6; 0.025 in.; 0.12 in.", Package=None, Centerline_Pitch="2.54 mm[.1 in]", Digi-Key_Part_Number=A121369-ND, Digi-Key_Purchase_URL=https://www.digikey.com/product-detail/en/te-connectivity-amp-connectors/5-146256-3/A121369-ND/1153559?utm_source=snapeda&utm_medium=aggregator&utm_campaign=symbol, EU_RoHS_Compliance=Compliant, MF="TE Connectivity", MP=5-146256-3, Number_of_Positions=6, Product_Type=Connector, SnapEDA_Link=https://www.snapeda.com/parts/5-146256-3/TE%20Connectivity/view-part/486039/?ref=snap, TE_purchase_URL=https://www.te.com/usa-en/product-5-146256-3.html?te_bu=Cor&te_type=disp&te_campaign=seda_glo_cor-seda-global-disp-prtnr-fy19-seda-model-bom-cta_sma-317_1&elqCampaignId=32493
L1: library part LQM21PN1R0MC0D, "Inductor with Inductance: 1uH Tol. +/-20%, Package: 0805 _2012_", Package="2012 Murata", Availability=Unavailable, MF=Murata, MP=LQM21PN1R0MC0D, Price=None, SnapEDA_Link=https://www.snapeda.com/parts/LQM21PN1R0MC0D/Murata%20Electronics%20North%20America/view-part/51550/?ref=snap
L2: library part INDUCTOR_2, "Power inductor 4.7uH Isat=7A", manufacturer=VIKING, Manufacturer P/N=SDB0650M4R7, Datasheet=www.viking.com.tw/ftp/SDB.pdf, Manufacturer Name=VIKING, MFG_NAME01=VIKING, MFG_PN01=SDB0650MT4R7, PCB Footprint=SDB0650, PRIORITY_PN=IN00045, SolidRun P/N=IN00045, Updated="2016-02-10 17:13:33"
Q1 Q3 Q5 Q7 Q9: library part MOSFET-P, Supplier="Digikey Electronics"
Q2 Q4 Q6 Q8 Q10: manufacturer="Diodes Inc.", Man. PN=MMBT3904-7-F, Other="NPN. SOT23-3", Supplier=LCSC, Supplier PN=C94514
R1 R2 R3 R4 R5 R6 R7 R8 R9 R10 R11 R12 R13 R14 R15 R16 R17 R18 R19 R20 R21 R22 R23 R24 R25 R26 R27 R28 R29 R30 R31 R32 R33 R34 R35 R36 R43 R44 R53 R54 R56 R59 R60 R61 R62 R63 R64 R65 R66 R67 R68 R69 R70 R71 R72 R73 R74 R75: library part Res1, "Resistor", LatestRevisionDate=17-Jul-2002, LatestRevisionNote="Re-released for DXP Platform.", PackageDescription="Axial Device, Thru-Hole; 2 Leads; 0.3 in Pin Spacing", PackageReference=AXIAL-0.3, Published=8-Jun-2000, Publisher="Altium Limited"
R37 R38 R39 R40 R41 R42: library part Resistor, "RES SMD 51 OHM 0.5% 1/16W 0402", Mfr. Part No.=ERA-2AED510X, Supplier Part No.=P51DECT-ND, Supplier="Digikey Electronics", Unit Price (USD)=0.21
SW1: "Tactile Switch SPST-NO Top Actuated Surface Mount", Package=None, Availability=Unavailable, MF=C&K, MP="PTS810 SJM 250 SMTR LFS", Price=None, SnapEDA_Link=https://www.snapeda.com/parts/PTS810%20SJM%20250%20SMTR%20LFS/C%26K/view-part/522770/?ref=snap
U1: "IC USB3.1 GEN2 HUB TYPE C", Digi-Key Part Number=150-USB7206CT-I/KDXTR-ND, manufacturer="Microchip Technology", Manufacturer Product Number=USB7206CT-I/KDX, Stock=4935, Unit Price=$12.9
U2: library part RT2875A/B, "DC2DC chip", manufacturer=RICHTECK, Manufacturer P/N=RT2875B, Datasheet=http://www.richtek.com/download_ds.jsp?p=RT2875A/RT2875B, Manufacturer Name=RICHTECK, PCB Footprint=TSSOP-14, SolidRun P/N=IC00566, Updated="2016-02-10 17:13:33"
U3: "IC MCU 8BIT 32KB FLASH 32VQFN", Digi-Key Part Number=ATMEGA328P-MU-ND, manufacturer="Microchip Technology", Manufacturer Product Number=ATMEGA328P-MU, Stock=6187, Unit Price="$ 2.42"
U4: library part CP2102, "USB Bridge, USB to UART USB 2.0 UART Interface", Digi-Key Part Number=336-5890-2-ND, manufacturer="Silicon Labs", Manufacturer Product Number=CP2102N-A02-GQFN28R, Stock=45696, Unit Price=$4.66
U5 U25 U26: "Inverter Schmitt Trigger 1-Element CMOS 5-Pin TSSOP T/R", Package=None, Availability=Unavailable, MP=74LVC1G14GW,125, Price=None
U6 U7 U8 U9 U10: "MEMORY CARD READER CONTROLLER", manufacturer="Genesys Logic Inc", Manufacturer Product Number=GL3224, Stock=15, Supplier="Quest Components", Unit Price=$15
U21: "No Description Available", Mfr_Name="Texas Instruments", Copyright="Copyright (C) 2023 Ultra Librarian. All rights reserved.", Digi-Key_Part_Number_1=296-TPS6281208QWRWYRQ1TR-ND, Digi-Key_Part_Number_2=296-TPS6281208QWRWYRQ1CT-ND, Digi-Key_Part_Number_3=296-TPS6281208QWRWYRQ1DKR-ND, Manufacturer_Part_Number=TPS6281208QWRWYRQ1, RefDes=RefDes, Type=DEV
U23 Y3: "No Description Available", Mfr_Name=Microchip, Copyright="Copyright (C) 2023 Ultra Librarian. All rights reserved.", RefDes=RefDes, Type=DEV
  U23: Digi-Key_Part_Number_1=576-3806-1-ND, Digi-Key_Part_Number_2=576-3806-2-ND, Digi-Key_Part_Number_3=576-3806-6-ND, Manufacturer_Part_Number=MIC803-29D4VM3-TR
  Y3: Digi-Key_Part_Number_1=576-4957-5-ND, Manufacturer_Part_Number=DSC1001CI2-025.0000
Y1: library part ECS-250-10-37B2-CKM-TR

## Free pads (board coordinates)
  round 0.3 hole 2.5: 6(-100.226,-8.331) 6(-72.54,40.104) 6(23.349,40.104) 6(51.127,-8.331)

## Via types
v1: diameter 0.559, hole 0.254, Top Layer to Bottom Layer, tented both sides, 572 vias
v2: diameter 0.457, hole 0.203, Top Layer to Bottom Layer, tented both sides, 12 vias

## Nets (pads, with @x,y where several pads share a name; then routed paths per layer and width w, separated by ;. In a path a pad name is that pad's centre, name@x,y a point inside that pad or via, vN(x,y) a via of type N, cw(c..) or ccw(c..) an arc to the next point about the centre after c; other vN are vias at no path point)
25MHz: C26.1 R10.2 U1.98 Y1.1 | length 6.1
  Top Layer w0.203: R10.2@-22.91,10.733 -22.914,10.736 C26.1@-22.914,11.848 -22.945,11.879 Y1.1@-22.945,13.219 -22.036,13.219 -21.565,13.691 -21.565,14.844 -21.361,15.047 U1.98@-20.792,15.047